# Altium PCB 驰风队20200806.PcbDoc (part 1 of 3)
Units mil, origin at the board's own origin, x right, y up, seen from the top; angles counter-clockwise.
Board outline 3947.04 x 2372.23 mil, 2 copper layers (Top Layer, Bottom Layer); 111 components, 82 nets, 374 pads, 168 vias.
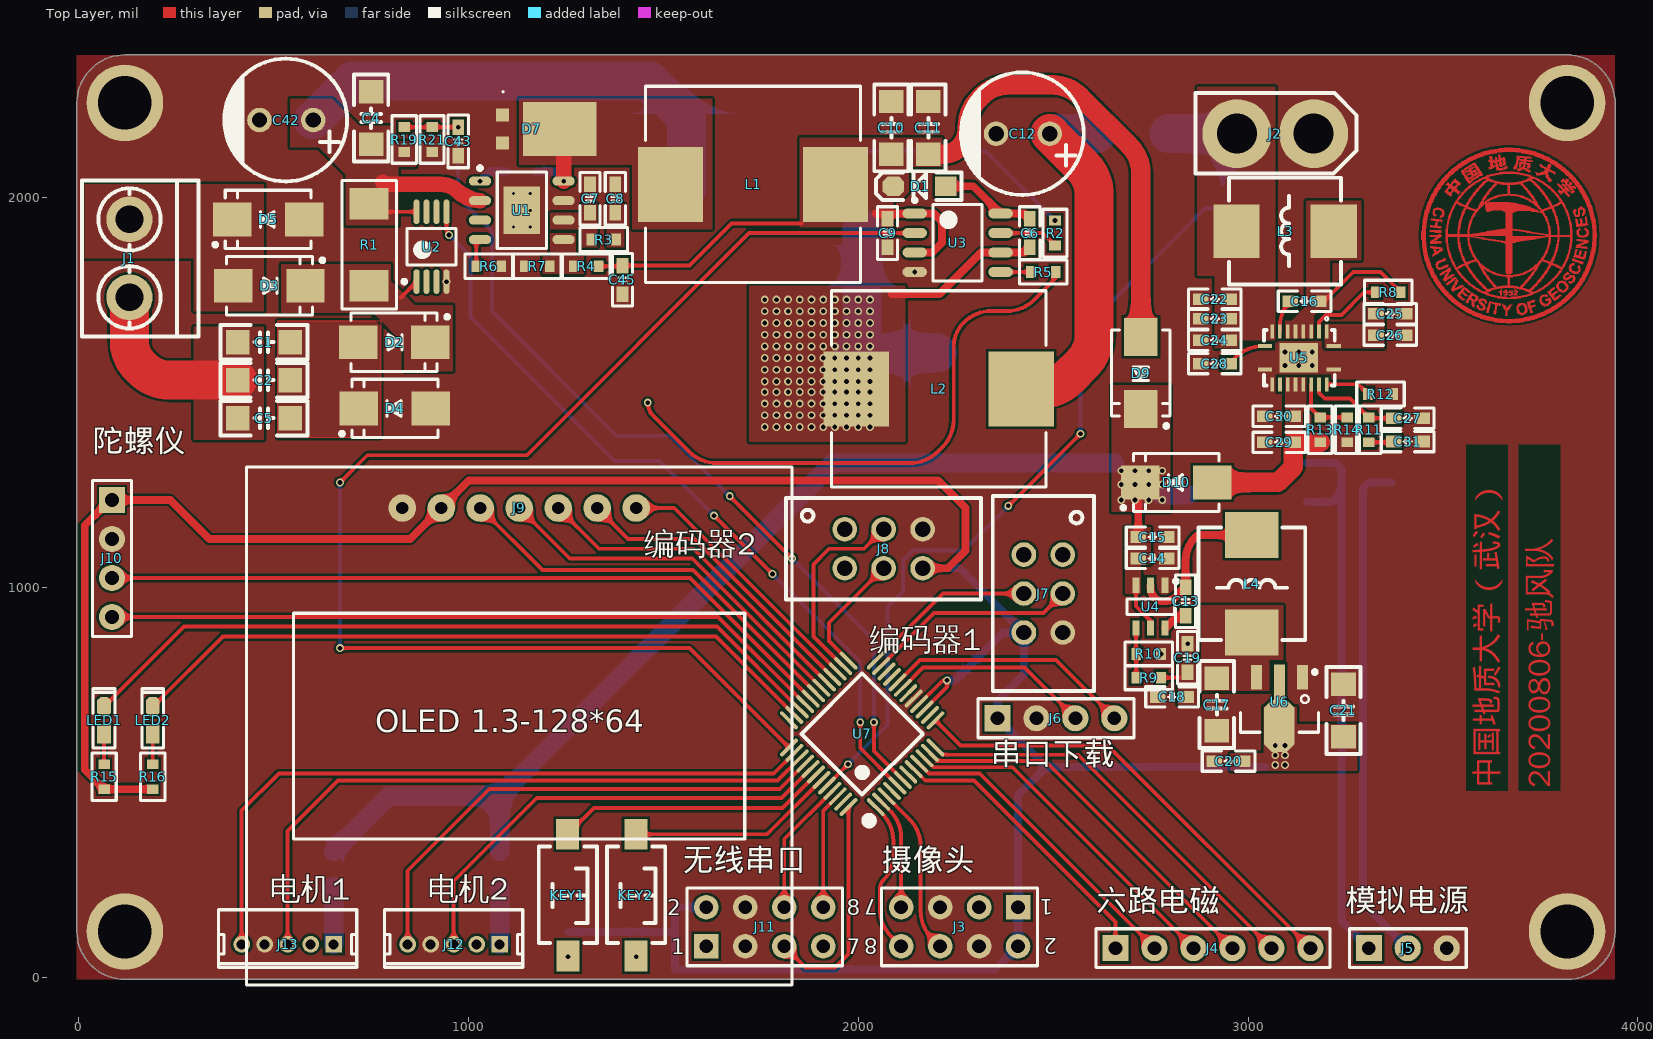
[diagram p0: Top Layer view]
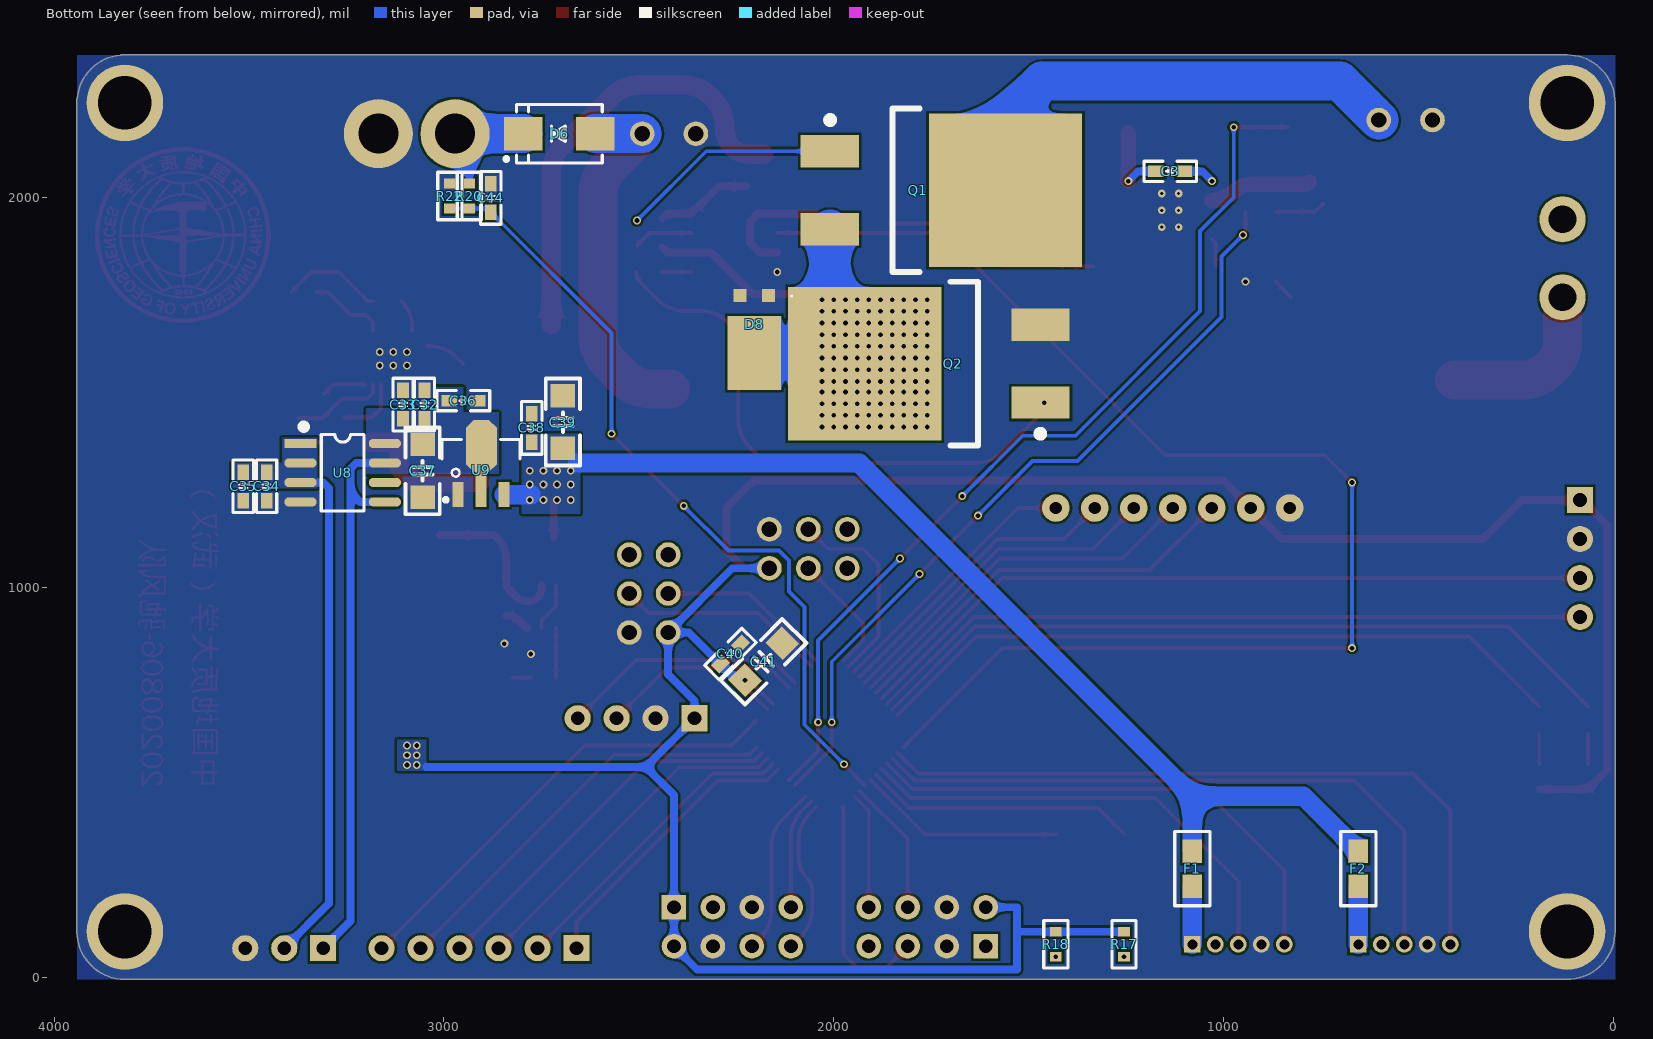
[diagram p1: Bottom Layer view, seen from below]

## Layer stack, top to bottom
Top Solder: solder mask 0.4, Solder Resist, Dk 3.5
Top Layer: signal copper 1.4
Dielectric 1: dielectric 12.6, FR-4, Dk 4.8
Bottom Layer: signal copper 1.4
Bottom Solder: solder mask 0.4, Solder Resist, Dk 3.5

## Board outline
118.11,-5.02 cw(c118.11,118.11) -5.02,118.11 -5.02,2244.09 cw(c118.11,2244.09) 118.11,2367.22 3827.8,2367.22 cw(c3827.8,2362.2) 3829.98,2366.72 cw(c3818.9,2244.09) 3941.52,2255.17 cw(c3937.01,2252.99) 3942.02,2252.99 3942.02,117.01 cw(c3937.01,117.01) 3942.02,116.73 cw(c3818.9,118.11) 3820.28,-5.01 cw(c3820,0) 3820,-5.02

## Design rules (kind name [scope] priority, off if disabled: settings)
Clearance [All] p1: gap=6 ignorepadtopadclearanceinfootprint=TRUE except(0: Arc-Hole Track-Hole SMDPad-Hole THPad-Hole Via-Hole Fill-Hole Poly-Hole Region-Hole Text-Hole)
HoleSize [All] p1: absolutevalues=TRUE maxlimit=1000 minlimit=1 maxpercent=80.000 minpercent=20.000
PolygonConnect PolygonConnect_27 [All vs IsNamedPolygon('GND_L02_P062')] p1: connectstyle=Direct reliefconductorwidth=10 reliefentries=4 polygonreliefangle="90 Angle" airgapwidth=10
PolygonConnect PolygonConnect_26 [All vs IsNamedPolygon('GND_L01_P058')] p2: connectstyle=Direct reliefconductorwidth=10 reliefentries=4 polygonreliefangle="90 Angle" airgapwidth=10
PolygonConnect PolygonConnect_25 [All vs IsNamedPolygon('2.5V_L02_P056')] p3: connectstyle=Direct reliefconductorwidth=10 reliefentries=4 polygonreliefangle="90 Angle" airgapwidth=10
PolygonConnect PolygonConnect_24 [All vs IsNamedPolygon('A5V_L02_P054')] p4: connectstyle=Direct reliefconductorwidth=10 reliefentries=4 polygonreliefangle="90 Angle" airgapwidth=10
PolygonConnect PolygonConnect_23 [All vs IsNamedPolygon('12V_L02_P052')] p5: connectstyle=Direct reliefconductorwidth=10 reliefentries=4 polygonreliefangle="90 Angle" airgapwidth=10
PolygonConnect PolygonConnect_22 [All vs IsNamedPolygon('5V_LDO_L02_P050')] p6: connectstyle=Direct reliefconductorwidth=10 reliefentries=4 polygonreliefangle="90 Angle" airgapwidth=10
PolygonConnect PolygonConnect_21 [All vs IsNamedPolygon('5V_LDO_L01_P048')] p7: connectstyle=Direct reliefconductorwidth=10 reliefentries=4 polygonreliefangle="90 Angle" airgapwidth=10
PolygonConnect PolygonConnect_20 [All vs IsNamedPolygon('6V_L01_P044')] p8: connectstyle=Direct reliefconductorwidth=10 reliefentries=4 polygonreliefangle="90 Angle" airgapwidth=10
PolygonConnect PolygonConnect_19 [All vs IsNamedPolygon('12V_L01_P042')] p9: connectstyle=Direct reliefconductorwidth=10 reliefentries=4 polygonreliefangle="90 Angle" airgapwidth=10
PolygonConnect PolygonConnect_18 [All vs IsNamedPolygon('12V_L01_P040')] p10: connectstyle=Direct reliefconductorwidth=10 reliefentries=4 polygonreliefangle="90 Angle" airgapwidth=10
PolygonConnect PolygonConnect_17 [All vs IsNamedPolygon('12.5V_L01_P038')] p11: connectstyle=Direct reliefconductorwidth=10 reliefentries=4 polygonreliefangle="90 Angle" airgapwidth=10
PolygonConnect PolygonConnect_16 [All vs IsNamedPolygon('NETC25_2_L01_P036')] p12: connectstyle=Direct reliefconductorwidth=10 reliefentries=4 polygonreliefangle="90 Angle" airgapwidth=10
PolygonConnect PolygonConnect_15 [All vs IsNamedPolygon('NETC16_2_L01_P034')] p13: connectstyle=Direct reliefconductorwidth=10 reliefentries=4 polygonreliefangle="90 Angle" airgapwidth=10
PolygonConnect PolygonConnect_14 [All vs IsNamedPolygon('CAP_12V_L01_P032')] p14: connectstyle=Direct reliefconductorwidth=10 reliefentries=4 polygonreliefangle="90 Angle" airgapwidth=10
PolygonConnect PolygonConnect_13 [All vs IsNamedPolygon('NETC6_2_L01_P028')] p15: connectstyle=Direct reliefconductorwidth=10 reliefentries=4 polygonreliefangle="90 Angle" airgapwidth=10
PolygonConnect PolygonConnect_12 [All vs IsNamedPolygon('DCDC_12V_L01_P026')] p16: connectstyle=Direct reliefconductorwidth=10 reliefentries=4 polygonreliefangle="90 Angle" airgapwidth=10
PolygonConnect PolygonConnect_11 [All vs IsNamedPolygon('NETC3_1_L01_P022')] p17: connectstyle=Direct reliefconductorwidth=10 reliefentries=4 polygonreliefangle="90 Angle" airgapwidth=10
PolygonConnect PolygonConnect_10 [All vs IsNamedPolygon('NETC8_1_L01_P020')] p18: connectstyle=Direct reliefconductorwidth=10 reliefentries=4 polygonreliefangle="90 Angle" airgapwidth=10
PolygonConnect PolygonConnect_9 [All vs IsNamedPolygon('NETC7_1_L01_P018')] p19: connectstyle=Direct reliefconductorwidth=10 reliefentries=4 polygonreliefangle="90 Angle" airgapwidth=10
PolygonConnect PolygonConnect_8 [All vs IsNamedPolygon('FB_L01_P016')] p20: connectstyle=Direct reliefconductorwidth=10 reliefentries=4 polygonreliefangle="90 Angle" airgapwidth=10
PolygonConnect PolygonConnect_7 [All vs IsNamedPolygon('VCC_OUTPUT_L01_P014')] p21: connectstyle=Direct reliefconductorwidth=10 reliefentries=4 polygonreliefangle="90 Angle" airgapwidth=10
PolygonConnect PolygonConnect_6 [All vs IsNamedPolygon('Top Solder-NetC1_1')] p22: connectstyle=Direct reliefconductorwidth=10 reliefentries=4 polygonreliefangle="90 Angle" airgapwidth=10
PolygonConnect PolygonConnect_5 [All vs IsNamedPolygon('Top Solder-NetC1_1')] p23: connectstyle=Direct reliefconductorwidth=10 reliefentries=4 polygonreliefangle="90 Angle" airgapwidth=10
PolygonConnect PolygonConnect_4 [All vs IsNamedPolygon('NETC1_1_L01_P010')] p24: connectstyle=Direct reliefconductorwidth=10 reliefentries=4 polygonreliefangle="90 Angle" airgapwidth=10
PolygonConnect PolygonConnect_3 [All vs IsNamedPolygon('VCC_L01_P006')] p25: connectstyle=Direct reliefconductorwidth=10 reliefentries=4 polygonreliefangle="90 Angle" airgapwidth=10
PolygonConnect PolygonConnect_2 [All vs IsNamedPolygon('NETC1_2_L01_P002')] p26: connectstyle=Direct reliefconductorwidth=10 reliefentries=4 polygonreliefangle="90 Angle" airgapwidth=10
PolygonConnect PolygonConnect_1 [All vs IsNamedPolygon('NETD3_1_L01_P000')] p27: connectstyle=Direct reliefconductorwidth=10 reliefentries=4 polygonreliefangle="90 Angle" airgapwidth=10
PolygonConnect [All] p28: connectstyle=Relief reliefconductorwidth=10 reliefentries=4 polygonreliefangle="90 Angle" airgapwidth=10
RoutingVias [All] p1: holewidth=28 width=50 viastyle="Through Hole" minholewidth=28 minwidth=50 maxholewidth=28 maxwidth=50
SolderMaskExpansion [All] p1: expansion=4
Width [All] p1: maxlimit=200 minlimit=10 preferedwidth=10
29 further rules are at their usual default settings.

## Components (designator, comment, footprint, x,y, rotation, side; value= is the part's Value field where it differs from the comment)
C1 "2.2nF" C1206 475,1630 r180 top
C2 "1nF" C1206 475,1532.5 r0 top
C3 "100nF" C0603 1136.65,2068.31 r180 bottom
C4 "2.2uF" C1206 750,2205 r90 top
C5 "1nF" C1206 475,1435 r0 top
C6 "1.5uF" C0603 2440,1910 r270 top
C7 "6.8pF" C0603 1311.65,1998.31 r90 top
C8 "1.5nF" C0603 1376.65,1998.31 r90 top
C9 "100nF" C0603 2075,1910 r270 top
C10 "22uF" C1206 2085,2180 r90 top
C11 "22uF" C1206 2180,2180 r90 top
C12 "100uF" "CAP 8*9" 2420,2165 r180 top
C13 "104" C0603 2840,965 r90 top
C14 "102" C0603 2755,1075 r0 top
C15 "104" C0603 2755,1130 r0 top
C16 "104" C0603 3145,1735 r0 top
C17 "22uF" C1206 2920,700 r270 top
C18 "104" C0603 2805,719.76 r0 top
C19 "10uF" C0603 2845,820 r270 top
C20 "104" C0603 2950,555 r0 top
C21 "22uF" C1206 3245,685 r270 top
C22 "10uF" C0603 2915,1740 r0 top
C23 "10uF" C0603 2915,1690 r0 top
C24 "100nF" C0603 2915,1635 r0 top
C25 "1uF" C0603 3365,1703 r180 top
C26 "1uF" C0603 3365,1648 r180 top
C27 "180pF" C0603 3410,1435 r180 top
C28 "8.2nF" C0603 2915,1575 r0 top
C29 "10uF" C0603 3080,1373 r180 top
C30 "10uF" C0603 3080,1440 r180 top
C31 "680pF" C0603 3410,1375 r180 top
C32 "104" C0603 3050,1470 r90 bottom
C33 "2.2uF" C0603 3105,1470 r90 bottom
C34 "104" C0603 3455,1260 r270 bottom
C35 "2.2uF" C0603 3515,1260 r270 bottom
C36 "104" C0603 2950,1480 r0 bottom
C37 "22uF" C1206 3055,1300 r270 bottom
C38 "104" C0603 2775,1410 r270 bottom
C39 "22uF" C1206 2695,1425 r90 bottom
C40 "103" C0603 2265,830 r135 bottom
C41 "22uF" C1206 2180,810 r135 bottom
C42 "100uF" "CAP 8*9" 530,2200 r180 top
C43 "20pF" C0603 973.59,2145 r270 top
C44 "20pF" C0603 2880,2000 r90 bottom
C45 "104" C0603 1395,1790 r270 top
D1 "1N5819" SOD123 2157.5,2030 r180 top
D2 "SM2150A" SMB 810,1630 r0 top
D3 "SM2150A" SMB 490,1775 r0 top
D4 "SM2150A" SMB 810,1460 r180 top
D5 "SM2150A" SMB 485,1945 r180 top
D6 "SS52" SMB 2705,2165 r0 bottom
D7 "PDS760" PDS760 1194.92,2177.09 r0 top
D8 "PDS760" PDS760 2203.78,1641.73 r270 bottom
D9 "SS52" SMB 2725,1550 r270 top
D10 "SS52" SMB 2815,1270 r180 top
F1 "1A" R0805 1080,280 r90 bottom
F2 "1A" R0805 654.06,280 r90 bottom
J1 "无线充电线圈接口" 2P 130,1845 r90 top
J2 "超级电容充电接口" XT30 3070,2165 r180 top
J3 "CCD" 8Pin 2260,130 r180 top
J4 "ADC 6Pin" "ADC 6Pin" 2910,75 r0 top
J5 "3PIN" 3PIN 3410,75 r0 top
J6 "4Pin" 4Pin 2507,665 r0 top
J7 "ENCODER1" "DC3 2*3P" 2525,1085 r270 top
J8 "EDCODER2" "DC3 2*3P" 1965,1150 r0 top
J9 "OLED-7Pin" OLED-7Pin 1130,645.13 r0 top locked
J10 "6050" 4Pin 85,1075 r270 top
J11 "8Pin" 8Pin 1760,130 r0 top
J12 "ZH1.5-5P" ZH1.5-5P 961.89,85 r180 top
J13 "ZH1.5-5P" ZH1.5-5P 535.94,85 r180 top
KEY1 "KEY" KEY 1255,210 r270 top
KEY2 "KEY" KEY 1430,210 r270 top
L1 "15uH" L13.5*12.5 1730,2034.81 r180 top
L2 "1mH" L13.5*12.5 2206.61,1510 r180 top
L3 "1uH" L0630 3095,1915 r180 top
L4 "3.3uH" L0630 3010,1010 r90 top
LED1 "LED" LED 65,659.79 r90 top
LED2 "LED" LED 190,659.79 r90 top
Q1 "PSMN3R7-100BSE" D2PAK 1559.21,2020 r270 bottom
Q2 "PSMN3R7-100BSE" D2PAK 1920,1575 r90 bottom
R1 "50mΩ" R2010 745,1880 r90 top
R2 "5R" R0603 2505,1910 r90 top
R3 "44.2K" R0603 1346.65,1893.31 r180 top
R4 "147K" R0603 1301.65,1824.81 r0 top
R5 "5R" R0603 2475,1810 r0 top
R6 "178K" R0603 1051.65,1824.81 r180 top
R7 "10.5K" R0603 1176.65,1824.81 r0 top
R8 "475K" R0603 3360,1758 r0 top
R9 "71.5K" R0603 2745,769.25 r0 top
R10 "10K" R0603 2745,830 r180 top
R11 "10K" R0603 3310,1405 r90 top
R12 "154K" R0603 3340,1497 r180 top
R13 "768K" R0603 3185,1405 r270 top
R14 "82K" R0603 3255,1405 r90 top
R15 "500R" R0603 65,515 r270 top
R16 "500R" R0603 189.74,515 r270 top
R17 "500R" R0603 1255,85 r90 bottom
R18 "500R" R0603 1430,85 r90 bottom
R19 "91K" R0603 835,2150 r270 top
R20 "91K" R0603 2935,2005 r90 bottom
R21 "10K" R0603 906.5,2150 r90 top
R22 "10K" R0603 2985,2005 r270 bottom
U1 "TPS54540" TPS54540 1136.65,1968.31 r0 top
U2 "AD8217" AD8217 905,1875 r90 top
U3 "IR2302S" IR2302S 2255,1885 r0 top
U4 "TPS562208" TPS562208 2750,951.42 r180 top
U5 "TPS61088" TPS61088 3220,1620 r180 top
U6 "CAJ1117" SOT-89 3080.95,689.13 r180 top
U7 "STC8G" LQFP48 2010,625 r45 top
U8 "ADP7118-ARDZ-2.5" SOP8 3260,1295 r180 bottom
U9 "CAJ1117-5.0" SOT-89 2905,1320 r180 bottom

## Footprints (in the part's own frame and the unit in brackets; to place one, negate y for a bottom-side part, rotate by r counter-clockwise, add the part's x,y. Pads: shape width x height; smd on the part's side, far side on the other; paste and mask are expansions set on the pad)
2P [mm]
  round 3 hole 1.8: 1(-2.54,0) 2(2.54,0)
  silkscreen extent -5.08,-4.5 5.08,3.1, body extent -5.25,-4.56 5.35,3.04, height 10
3PIN [mm]
  rect 1.7x1.7 hole 0.9: 1(-2.54,0)
  round 1.7 hole 0.9: 2(0,0) 3(2.54,0)
  silkscreen extent -3.81,-1.27 3.81,1.27, body extent -3.81,-1.27 3.81,1.27, height 8.5
4Pin [mm]
  rect 1.7x1.7 hole 0.9: 1(-3.81,0)
  round 1.7 hole 0.9: 2(-1.27,0) 3(1.27,0) 4(3.81,0)
  silkscreen extent -5.08,-1.27 5.08,1.27, body extent -5.08,-1.27 5.08,1.27, height 8.5
8Pin [mm]
  rect 1.6x1.6 hole 0.9: 1(-3.81,-1.27)
  round 1.6 hole 0.9: 2(-3.81,1.27) 3(-1.27,-1.27) 4(-1.27,1.27) 5(1.27,-1.27) 6(1.27,1.27) 7(3.81,-1.27) 8(3.81,1.27)
  silkscreen extent -5.08,-2.54 5.08,2.54, body extent -5.08,-2.54 5.08,2.54, height 8.5
AD8217 [mm] "TSOP, 8-Leads, Body 3.00x3.00mm, Pitch 0.65mm, IPC Medium Density"
  oval 1.6x0.4 smd: 1(-2.275,0.975) 2(-2.275,0.325) 3(-2.275,-0.325) 4(-2.275,-0.975) 5(2.275,-0.975) 6(2.275,-0.325) 7(2.275,0.325) 8(2.275,0.975)
  silkscreen extent -2.4,-1.6 1.2,1.9, body extent -1.6,-1.6 1.6,1.6, height 1.1
"ADC 6Pin" [mm]
  rect 1.7x1.7 hole 0.9: 1(-6.35,0)
  round 1.7 hole 0.9: 2(-3.81,0) 3(-1.27,0) 4(1.27,0) 5(3.81,0) 6(6.35,0)
  silkscreen extent -7.62,-1.27 7.62,1.27, body extent -7.62,-1.27 7.62,1.27, height 8.5
C0603 [mil]
  rect 40x30 smd: 1(-36.5,0) 2(36.5,0)
  silkscreen extent -68,-26 68,26, body extent -31,-16 31,16, height 32
C1206 [mil]
  rect 60x62.99 smd: 1(-67.5,0) 2(67.5,0)
  silkscreen extent -112,-44 112,44, body extent -63,-32 63,32, height 48
"CAP 8*9" [mm]
  round 1.6 hole 1: 1(-1.814,0) 2(1.686,0)
  silkscreen extent -4.03,-4 3.97,4
D2PAK [mm]
  rect 2.1x3.8 smd: 1(-2.54,-11.45) 3(2.54,-11.45)
  rect 10x10 smd: 2(0,0)
  silkscreen extent -5.33,-11.63 5.33,-5.59, body extent -5,-11.46 5,3.47, height 4.5
"DC3 2*3P" [mm]
  round 1.6 hole 1: 1(0,0) 2(2.54,0) 3(5.08,0) 4(5.08,-2.54) 5(2.54,-2.54) 6(0,-2.54)
  silkscreen extent -3.81,-4.57 8.89,2.03
IR2302S [mm]
  oval 1.6x0.65 smd: 1(-2.8,1.905) 2(-2.8,0.635) 3(-2.8,-0.635) 4(-2.8,-1.905) 5(2.8,-1.905) 6(2.8,-0.635) 7(2.8,0.635) 8(2.8,1.905)
  silkscreen extent -2.92,-2.5 1.6,2.9, body extent -3.02,-2.51 3.02,2.51, height 1.6
KEY [mm]
  rect 2x1.5 smd: 1(-3.996,-0.02) 2(3.937,0)
  silkscreen extent -3.21,-1.9 3.09,1.9, body extent -4,-1.88 4,1.62, height 2.59
L13.5*12.5 [mm] "Molded Inductor, 2-Leads, Body 13.50x12.50mm, IPC Medium Density"
  rect 4.25x4.9 smd: 1(-5.375,0) 2(5.375,0)
  silkscreen extent -7,-6.4 7,6.4, body extent -7,-6.4 7,6.4, height 6.5
L0630 [mm]
  rect 3x3.5 smd: 1(-3.175,0) 2(3.175,0)
  silkscreen extent -3.66,-3.48 3.66,3.48, body extent -3.47,-3.3 3.47,3.3, height 3.05
LED [mil]
  rect 50x35 smd: 1(-35,0.26)
  oct 50x35 smd: 2(35,0.26)
  silkscreen extent -71,-28 81,28, body extent -31,-16 31,16, height 18
LQFP48 [mm]
  oval 0.25x1.55 smd: 1(-2.75,-4) 2(-2.25,-4) 3(-1.75,-4) 4(-1.25,-4) 5(-0.75,-4) 6(-0.25,-4) 7(0.25,-4) 8(0.75,-4) 9(1.25,-4) 10(1.75,-4) 11(2.25,-4) 12(2.75,-4) 25(2.75,4) 26(2.25,4) 27(1.75,4) 28(1.25,4) 29(0.75,4) 30(0.25,4) 31(-0.25,4) 32(-0.75,4) 33(-1.25,4) 34(-1.75,4) 35(-2.25,4) 36(-2.75,4)
  oval 1.55x0.25 smd: 13(4,-2.75) 14(4,-2.25) 15(4,-1.75) 16(4,-1.25) 17(4,-0.75) 18(4,-0.25) 19(4,0.25) 20(4,0.75) 21(4,1.25) 22(4,1.75) 23(4,2.25) 24(4,2.75) 37(-4,2.75) 38(-4,2.25) 39(-4,1.75) 40(-4,1.25) 41(-4,0.75) 42(-4,0.25) 43(-4,-0.25) 44(-4,-0.75) 45(-4,-1.25) 46(-4,-1.75) 47(-4,-2.25) 48(-4,-2.75)
  silkscreen extent -3.93,-4.57 2.79,2.79, body extent -4.5,-4.5 4.5,4.5, height 1.45
OLED-7Pin [mm]
  round 1.8 hole 0.8: 1(-7.62,14.21) 2(-5.08,14.21) 3(-2.54,14.21) 4(0,14.21) 5(2.54,14.21) 6(5.08,14.21) 7(7.62,14.21)
  silkscreen extent -17.78,-16.89 17.78,16.89, body extent -17.7,-16.75 17.7,16.75, height 5.5
PDS760 [mm]
  rect 0.85x0.85 smd: 1(-2.75,-0.92) 1(-2.75,0.92)
  rect 4.8x3.5 smd: 2(1,0)
  silkscreen extent -2.75,2.38 -2.65,2.47, body extent -2.7,-2.02 2.7,2.03, height 1.16
R0603 [mil]
  rect 25x30 smd: 1(-32,0) 2(32,0)
  silkscreen extent -61,-31 61,31, body extent -32,-16 31,16, height 18
R0805 [mil]
  rect 60x50 smd: 1(-46,0) 2(44,0)
  silkscreen extent -96,-45 94,45, body extent -41,-25 37,25, height 22
R2010 [mil]
  rect 80x100 smd: 1(-105,0) 2(105,0)
  silkscreen extent -165,-70 165,70, body extent -97,-50 99,48, height 26
SMB [mm]
  rect 2.5x2.2 smd: 1(-2.373,0) 2(2.327,0)
  silkscreen extent -2.82,-1.9 3.55,1.9, body extent -2.65,-1.8 2.65,1.8, height 2.35
SOD123 [mil]
  oct 55x50 smd: 1(67.5,0)
  rect 55x50 smd: 2(-67.5,0)
  silkscreen extent -107,-35 112,35, body extent -73,-31 73,32, height 48
SOP8 [mm]
  rect 2.1x0.6 smd: 1(-2.75,1.905)
  oval 2.1x0.6 smd: 2(-2.75,0.635) 3(-2.75,-0.635) 4(-2.75,-1.905) 5(2.75,-1.905) 6(2.75,-0.635) 7(2.75,0.635) 8(2.75,1.905)
  silkscreen extent -2.69,-2.5 1.4,3.15, body extent -3,-2.5 3,2.5, height 1.9
SOT-89 [mm]
  rect 0.7x1.6 smd: 1(-1.5,-2.054) 3(1.5,-2.054)
  rect 0.7x2.4 smd: 2(0,-1.676)
  oct 2x3.4 smd: 2(0.025,1.118)
  silkscreen extent -2.54,-2.52 2.54,1.52, body extent -2.3,-2.4 2.3,1.9, height 1.6
TPS54540 [mm]
  oval 1.45x0.6 smd: 1(-2.725,1.905) 2(-2.725,0.635) 3(-2.725,-0.635) 4(-2.725,-1.905) 5(2.725,-1.905) 6(2.725,-0.635) 7(2.725,0.635) 8(2.725,1.905)
  rect 2.4x3.1 smd: 9(0,0)
  silkscreen extent -2.85,-2.5 1.6,2.88, body extent -3,-2.5 3,2.5, height 1.7
TPS61088 [mil]
  rect 36x9.6 smd: 1(0,0) 10(176,0) 11(176,60) 20(0,60)
  rect 9.6x36 smd: 2(18,-38) 3(38,-38) 4(58,-38) 5(78,-38) 6(98,-38) 7(118,-38) 8(138.4,-38) 9(158,-38) 12(158,98) 13(138,98) 14(118,98) 15(98,98) 16(78,98) 17(58,98) 18(38,98) 19(18,98)
  round 20 hole 12: 20(55,50) 20(55,15) 20(90,15) 20(90,50) 20(125,15) 20(125,50)
  rect 98.43x74.8 smd: 20(90,30)
  silkscreen extent -3,-74 179,101
TPS562208 [mm]
  rect 0.45x1 smd: 1(-0.95,-1.397) 2(0,-1.397) 3(0.95,-1.397) 4(0.95,1.397) 5(0,1.397) 6(-0.95,1.397)
  silkscreen extent -1.78,-1.78 1.55,0.51, body extent -1.5,-1.4 1.5,1.4, height 1.15
XT30 [mm]
  round 4.5 hole 2.6: 1(2.5,0) 2(-2.5,0)
  silkscreen extent -5.3,-2.65 5.2,2.6, body extent -5.2,-2.6 5.2,2.7, height 12.6
ZH1.5-5P [mm]
  rect 1.1x1.1 hole 0.65: 1(-3,0)
  round 1.1 hole 0.65: 2(-1.5,0) 3(0,0) 4(1.5,0) 5(3,0)
  silkscreen extent -4.5,-2.25 4.5,1.5, body extent -4.5,-2.15 4.5,1.5, height 4.6

## Part data
C1 C2 C3 C4 C5 C6 C7 C8 C9 C10 C11 C13 C14 C15 C16 C17 C18 C19 C20 C21 C22 C23 C24 C25 C26 C27 C28 C29 C30 C31 C32 C33 C34 C35 C36 C37 C38 C39 C40 C41 C43 C44 C45: library part MLCC
C12 C42: library part BiCAP
D2 D3 D4 D5: "肖特基二极管，150V耐压，2A工作电流"
D6 D9 D10: library part 1N5819
F1 F2 R1 R2 R3 R4 R5 R6 R7 R8 R9 R10 R11 R12 R13 R14 R15 R16 R17 R18 R19 R20 R21 R22: library part RES
J1 J2: library part 2P
J7 J8: library part "DC3 2*3P"
J10: library part 4Pin
L1 L2 L3 L4: library part LEN
Q1 Q2: "100V耐压，3.5mΩ导通内阻"
U8: library part ADP7118-ARDZ
U9: library part CAJ1117, "最大输入电压15V，最大工作电流1A"

## Free pads (board coordinates)
  round 196.85 hole 137.8: ""(118.11,118.11) ""(118.11,2244.09) ""(3818.9,118.11) ""(3818.9,2244.09)

## Via types
v1: diameter 20, hole 12, Top Layer to Bottom Layer, 162 vias
v2: diameter 19.68, hole 7.87, Top Layer to Bottom Layer, 6 vias

## Nets (pads, with @x,y where several pads share a name; then routed paths per layer and width w, separated by ;. In a path a pad name is that pad's centre, name@x,y a point inside that pad or via, vN(x,y) a via of type N, cw(c..) or ccw(c..) an arc to the next point about the centre after c; other vN are vias at no path point)
2.5V: C34.1 C35.1 J5.2 U8.1 U8.2 U8.3 | length 1307.1
  Bottom Layer w20: U8.3@3368.26,1270 3310,1270 3295,1255 3295,190 J5.2@3410,75
5V_LDO: C20.2 C21.2 C40.1 C41.1 J3.1 J3.2 J6.1 J7.4 J8.4 J9.2 J10.1 J11.2 R15.2 R16.2 R17.2 R18.2 U6.2 U7.15 U7.16 | length 7152.8
  Top Layer w10: U7.16@2156.14,701.55 2216.87,762.27 v1(2227.73,762.27) 2227.73,745.29 U7.15@2170.06,687.63
  Top Layer w20: R16.2@189.74,483 R15.2@65,483 15,533 15,1160 80,1225 J10.1@85,1225 235,1225 335,1125 850.43,1125 J9.2@930,1204.57 1000.43,1275 2205,1275 2275,1205 2275,1095 2230,1050 J8.4@2165,1050
  Bottom Layer w20: R17.2@1255,117 R18.2@1430,117 1523,117 1530,110 ; J11.2@1610,180 1530,180 1530,110 ; J8.4@2165,1050 2260,1050 J7.4@2425,885 ; v1(2227.73,762.27) 2248.89,762.27 C40.1@2290.81,804.19 2371.62,885 J7.4@2425,885 ; 3045,540 2482,540 ; 1530,110 1530,20 2350,20 J3.2@2410,80 J3.1@2410,180 2410,468 2482,540 ; J7.4@2425,885 2425,777.27 2357,709.27 J6.1@2357,665 2482,540
  other v1: 3070,545 3095,545 3070,570 3095,570 3070,595 3095,595
6V: C17.1 C18.2 C19.2 L4.1 R9.2 U6.3 | length 48
  Top Layer w10: R9.2@2777,769.25 2825,769.25
12.5V: C29.1 C30.1 D10.1 R13.2 U5.14 U5.15 U5.16 | length 356.1
  Top Layer w50: D10.1@2908.42,1270 3076.5,1270 3116.5,1310 C29.1@3116.5,1373 R13.2@3185,1373
12V: C14.1 C15.1 C38.2 C39.1 D9.2 D10.2 F1.2 F2.2 U4.3 U4.5 U9.3 | length 2840.6
  Top Layer w10: U4.3@2712.6,1006.42 2712.6,952.4 2750,915 U4.5@2750,896.42
  Top Layer w20: C15.1@2718.5,1130 v1@2718.5,1220
  Bottom Layer w50: F2.2@654.06,324 795.06,465 1080,465 ; F1.2@1080,324 1080,465 ; 2657,1320 1935,1320 1080,465 ; 2777.3,1239.13 U9.3@2845.94,1239.13
  other v1: 2675,1225 2710,1225 2745,1225 2780,1225 2675,1265 2710,1265 2745,1265 2780,1265 2675,1300 2710,1300 2745,1300 2780,1300
A5V: C32.1 C33.1 C36.2 C37.1 J5.1 U8.5 U8.7 U8.8 U9.2 | length 1452.1
  Bottom Layer w20: U8.5@3151.73,1220 3215,1220 3240,1245 ; U8.7@3151.73,1320 3225,1320 3240,1305 3240,1245 ; J5.1@3310,75 3240,145 3240,1245
ADC0: J4.1 U7.8 | length 747.4
  Top Layer w10: U7.8@2142.22,534.53 2171.76,505 2296.99,505 2660,141.99 J4.1@2660,75
ADC1: J4.2 U7.9 | length 800
  Top Layer w10: U7.9@2156.14,548.45 2181.25,523.34 2311.66,523.34 J4.2@2760,75
ADC2: J4.3 U7.10 | length 891.8
  Top Layer w10: U7.10@2170.06,562.37 2193.09,539.34 2395.66,539.34 J4.3@2860,75
ADC3: J4.4 U7.11 | length 983.7
  Top Layer w10: U7.11@2183.98,576.29 2204.93,555.34 2479.66,555.34 J4.4@2960,75
ADC4: J4.5 U7.12 | length 1075.5
  Top Layer w10: U7.12@2197.9,590.21 2216.77,571.34 2563.66,571.34 J4.5@3060,75
ADC5: J4.6 U7.13 | length 1204.3
  Top Layer w10: U7.13@2197.9,659.79 2262.69,595 2640,595 J4.6@3160,75
CAP_12V: C22.2 C23.2 C24.2 D6.2 J2.1 L3.2 R20.2 U5.9 | length 318.1
  Bottom Layer w10: R20.2@2935,2037 2935,2128.43 J2.1@2971.57,2165
  Bottom Layer w100: D6.2@2796.62,2165 J2.1@2971.57,2165
CAP_Voltage: C44.1 R20.1 R22.2 U7.44 | length 2053.6
  Top Layer w10: U7.44@1919.53,492.78 v1(1973.76,547) ; v1(2385,1210) v1(2570,1395)
  Bottom Layer w10: v1(1973.76,547) 2075,648.24 2075,950 2115,990 2115,1070 2140,1095 2270,1095 v1(2385,1210) ; v1(2570,1395) 2570,1653.5 C44.1@2880,1963.5 2889.5,1973 R20.1@2935,1973 R22.2@2985,1973
CCD_AD: J3.6 U7.3 | length 433.4
  Top Layer w10: U7.3@2072.63,464.94 2130.71,406.85 cw(c2060,336.14) 2160,336.14 2160,170 ccw(c2256.57,170) 2188.28,101.72 J3.6@2210,80
CCD_CLK: J3.8 U7.1 | length 399.4
  Top Layer w10: U7.1@2044.79,437.1 2060.71,421.18 cw(c1990,350.47) 2090,350.47 2090,310.36 cw(c2004.64,310.36) 2065,250 ccw(c2089.14,225.86) 2055,225.86 2055,176.42 ccw(c2155,176.42) 2084.29,105.71 J3.8@2110,80
CCD_SI: J3.7 U7.2 | length 288
  Top Layer w10: U7.2@2058.71,451.02 2080.71,429.01 cw(c2010,358.3) 2110,358.3 J3.7@2110,180
CURRENT: U2.5 U7.5 | length 2017.5
  Top Layer w10: U2.5@943.39,1964.57 943.39,1920.97 ccw(c965.97,1920.97) v1(950,1905) ; v1(1630,1185) v1(1780,1035) ; v1(2005,655) 2005,588.24 U7.5@2100.47,492.78
  Bottom Layer w10: v1(950,1905) 1005,1850 1005,1695 1375,1325 1490,1325 v1(1630,1185) ; v1(1780,1035) 2005,810 v1(2005,655)
DCDC_12V: C9.1 C10.1 C11.1 C45.1 D1.1 D9.1 L1.1 R4.2 U3.1 U3.3 | length 2026.9
  Top Layer w10: R4.2@1333.65,1824.81 1393.31,1824.81 C45.1@1395,1826.5 1566.5,1826.5 1675,1935 1855,1935
  Top Layer w20: 2045,1960 U3.1@2144.76,1960 2194.25,1960 2215,1939.25 2215,1885 2190,1860 U3.3@2144.76,1860
  Top Layer w50: C11.1@2180,2112.5 2217.75,2112.5 ccw(c2217.75,2172.25) 2260,2130 ccw(c2211.72,2178.28) 2280,2178.28 2280,2183.58 cw(c2380,2183.58) 2309.29,2254.29 2316.72,2261.72 cw(c2385,2193.43) 2385,2290 2498.58,2290 cw(c2498.58,2190) 2569.29,2260.71 2695.71,2134.29 cw(c2625,2063.58) 2725,2063.58 D9.1@2725,1675
DIR1: J7.5 U7.24 | length 451.5
  Top Layer w10: U7.24@2044.79,812.9 2216.89,985 J7.5@2425,985
DIR2: J8.5 U7.25 | length 315.9
  Top Layer w10: U7.25@1975.21,812.9 1925,863.11 1925,910 J8.5@2065,1050
FB: R4.1 R7.2 U1.5
GND: C4.2 C7.2 C8.2 C9.2 C10.2 C11.2 C12.2 C14.2 C15.2 C17.2 C18.1 C19.1 C20.1 C21.1 C22.1 C23.1 C24.1 C25.1 C26.1 C27.1 C28.1 C29.2 C30.2 C31.1 C32.2 C33.2 C34.2 C35.2 C36.1 C37.2 C38.1 C39.2 C40.2 C41.2 C42.2 C43.2 C44.2 C45.2 D4.1 D5.1 D7.1 D8.1 J2.2 J3.4 J3.5 J5.3 J6.2 J7.3 J8.3 J9.1 J10.2 J11.3 J11.4 J12.4 J13.4 pad. Q2.3 R6.1 R7.1 R10.1 R12.1 R14.1 R21.1 R22.1 U1.7 U1.9 U2.4 U3.4 U4.1 U5.11 U5.12 U5.20 U6.1 U7.17 U8.4 U9.1
  other v1: 2777,830 2845,856.5 943.39,1785.43 2144.76,1810
  other v2: 1115,1925 1158.31,1925 1115,1968.31 1158.31,1968.31 1115,2011.61 1158.31,2011.61
IIC_SCL: J10.4 U7.33 | length 1871.4
  Top Layer w10: J10.4@85,925 1640.4,925 U7.33@1863.86,701.55
IIC_SDA: J10.3 U7.32 | length 1921
  Top Layer w10: J10.3@85,1025 1568.24,1025 U7.32@1877.78,715.47
KEY1: KEY1.1 U7.42 | length 701
  Top Layer w10: KEY1.1@1254.21,367.31 1321.9,435 1806.08,435 U7.42@1891.7,520.62
KEY2: KEY2.1 U7.43 | length 534.1
  Top Layer w10: KEY2.1@1429.21,367.31 1766.23,367.31 U7.43@1905.62,506.7
LED1: LED1.2 U7.34 | length 1958.2
  Top Layer w10: LED1.2@64.74,694.79 269.95,900 1637.56,900 U7.34@1849.94,687.63
LED2: LED2.2 U7.35 | length 1804.3
  Top Layer w10: LED2.2@189.74,694.79 369.95,875 1634.73,875 U7.35@1836.02,673.71
LSB1: J7.2 U7.23 | length 543.3
  Top Layer w10: U7.23@2058.71,798.98 2194.73,935 2475,935 J7.2@2525,985
LSB2: J8.2 U7.26 | length 509.9
  Top Layer w10: U7.26@1961.29,798.98 1885,875.27 1885,1060 1925,1100 2015,1100 J8.2@2065,1150
NetC1_1: C1.1 C2.2 C5.2 D2.1 D4.2
NetC1_2: C1.2 C2.1 C5.1 J1.1 | length 445.4
  Top Layer w100: J1.1@130,1745 130,1630.36 ccw(c215.36,1630.36) 155,1570 163.21,1561.79 ccw(c233.92,1632.5) 233.92,1532.5 C2.1@407.5,1532.5
NetC3_1: C3.1 D7.2 L1.2 U1.8 | length 218.9
  Top Layer w10: D7.2@1234.29,2177.09 D7.2@1243.94,2167.44
  Top Layer w40: v1(1243.94,2043.31) D7.2@1243.94,2167.44
  Bottom Layer w20: C3.1@1173.15,2068.31 1218.94,2068.31 v1(1243.94,2043.31)
NetC3_2: C3.2 U1.1 | length 81.1
  Bottom Layer w20: v1(1029.37,2043.31) 1054.37,2068.31 C3.2@1100.15,2068.31
NetC6_1: C6.1 D1.2 U3.8 | length 249.6
  Top Layer w20: D1.2@2225,2030 2295.24,2030 U3.8@2365.24,1960 2426.5,1960 C6.1@2440,1946.5
NetC6_2: C6.2 D8.2 L2.2 Q1.3 Q2.2 U3.6 | length 944.9
  Top Layer w20: 2086.55,1753.5 2208.5,1753.5 2315,1860 U3.6@2365.24,1860 2426.5,1860 C6.2@2440,1873.5
  Bottom Layer w100: Q1.3@2010,1920 2010,1660.16 cw(c1928.26,1660.16) 1986.06,1602.36 D8.2@2203.78,1602.36
  other v1: 1760,1412.32 1790,1412.32 1820,1412.32 1850,1412.32 1880,1412.32 1910,1412.32 1940,1412.32 1970,1412.32 2000,1412.32 2030,1412.32 1760,1442.32 1790,1442.32 1820,1442.32 1850,1442.32 1880,1442.32 1910,1442.32 1940,1442.32 1970,1442.32 2000,1442.32 2030,1442.32 1760,1472.32 1790,1472.32 1820,1472.32 1850,1472.32 1880,1472.32 1910,1472.32 1940,1472.32 1970,1472.32 2000,1472.32 2030,1472.32 1760,1502.32 1790,1502.32 1820,1502.32 1850,1502.32 1880,1502.32 1910,1502.32 1940,1502.32 1970,1502.32 2000,1502.32 2030,1502.32 1760,1529.29 1790,1529.29 1820,1529.29 1850,1529.29 1880,1529.29 1910,1529.29 1940,1529.29 1970,1529.29 2000,1529.29 2030,1529.29 1760,1559.29 1790,1559.29 1820,1559.29 1850,1559.29 1880,1559.29 1910,1559.29 1940,1559.29 1970,1559.29 2000,1559.29 2030,1559.29 1760,1589.29 1790,1589.29 1820,1589.29 1850,1589.29 1880,1589.29 1910,1589.29 1940,1589.29 1970,1589.29 2000,1589.29 2030,1589.29 1760,1619.29 1790,1619.29 1820,1619.29 1850,1619.29 1880,1619.29 1910,1619.29 1940,1619.29 1970,1619.29 2000,1619.29 2030,1619.29 1760,1649.29 1790,1649.29 1820,1649.29 1850,1649.29 1880,1649.29 1910,1649.29 1940,1649.29 1970,1649.29 2000,1649.29 2030,1649.29 1760,1679.29 1790,1679.29 1820,1679.29 1850,1679.29 1880,1679.29 1910,1679.29 1940,1679.29 1970,1679.29 2000,1679.29 2030,1679.29 1760,1709.29 1790,1709.29 1820,1709.29 1850,1709.29 1880,1709.29 1910,1709.29 1940,1709.29 1970,1709.29 2000,1709.29 2030,1709.29 1760,1739.29 1790,1739.29 1820,1739.29 1850,1739.29 1880,1739.29 1910,1739.29 1940,1739.29 1970,1739.29 2000,1739.29 2030,1739.29
NetC7_1: C7.1 R3.2 U1.6
NetC8_1: C8.1 R3.1
NetC12_1: C12.1 D6.1 L2.1 | length 940.4
  Top Layer w100: L2.1@2418.23,1510 2468.58,1510 ccw(c2468.58,1610) 2539.29,1539.29 2575.71,1575.71 ccw(c2505,1646.42) 2605,1646.42 2605,2010 ccw(c2505,2010) 2575.71,2080.71 C12.1@2491.42,2165
  Bottom Layer w100: C12.1@2491.42,2165 D6.1@2611.58,2165
NetC13_1: C13.1 U4.6 | length 63.8
  Top Layer w20: U4.6@2787.4,896.42 2804.97,913.99 ; 2804.98,914 cw(c2840,878.96) C13.1@2840,928.5
NetC13_2: C13.2 L4.2 U4.2 | length 411.4
  Top Layer w20: U4.2@2750,1006.42 2750,999.14 ccw(c2784.14,999.14) 2760,975 ccw(c2784.14,999.14) 2784.14,965 ccw(c2784.14,1011.73) 2817.19,978.69 C13.2@2840,1001.5 2840,1069.64 cw(c2925.36,1069.64) 2865,1130 cw(c2877.07,1117.93) 2877.07,1135 L4.2@3010,1135
NetC16_1: C16.1 U5.8 | length 84.2
  Top Layer w10: U5.8@3081.6,1658 3081.6,1670.06 cw(c3173.44,1670.06) C16.1@3108.5,1735
NetC16_2: C16.2 L3.1 R8.2 U5.4 U5.5 U5.6 U5.7 | length 263.1
  Top Layer w10: C16.2@3181.5,1735 3195,1735 3270,1810 3340,1810 R8.2@3392,1758
NetC25_2: C25.2 C26.2 U5.1 U5.2
NetC27_2: C27.2 R11.2 U5.18 | length 240.4
  Top Layer w10: U5.18@3182,1522 3182,1500 3197,1485 3262,1485 R11.2@3310,1437 3312,1435 C27.2@3373.5,1435
NetC28_2: C28.2 U5.10 | length 106.8
  Top Layer w10: C28.2@2951.5,1575 2967.21,1590.71 cw(c3037.92,1520) 3037.92,1620 U5.10@3044,1620
NetC31_2: C31.2 R11.1 | length 64.3
  Top Layer w10: R11.1@3310,1373 3371.5,1373 C31.2@3373.5,1375
NetD3_1: D3.1 D5.2 J1.2
NetF1_1: F1.1 J12.1 | length 149
  Bottom Layer w50: J12.1@1080,85 F1.1@1080,234
NetF2_1: F2.1 J13.1 | length 149
  Bottom Layer w50: J13.1@654.06,85 F2.1@654.06,234
NetKEY1_2: KEY1.2 R17.1
  other v1: 1255,53
NetKEY2_2: KEY2.2 R18.1
  other v1: 1430,53
NetLED1_1: LED1.1 R15.1 | length 77.9
  Top Layer w10: LED1.1@64.74,624.79 64.74,547.26 R15.1@65,547
NetLED2_1: LED2.1 R16.1 | length 77.8
  Top Layer w10: R16.1@189.74,547 LED2.1@189.74,624.79
NetQ1_1: Q1.1 R2.2 | length 568.7
  Bottom Layer w10: Q1.1@2010,2120 2327,2120 v1(2505,1942)
NetQ2_1: Q2.1 R5.2 | length 1461.5
  Top Layer w10: v1(1460,1475) ccw(c1508.28,1475) 1474.14,1440.86 1565.71,1349.29 ccw(c1636.42,1420) 1636.42,1320 2133.58,1320 ccw(c2133.58,1420) 2204.29,1349.29 2215.71,1360.71 ccw(c2145,1431.42) 2245,1431.42 2245,1618.64 cw(c2332.78,1618.64) 2270.71,1680.71 cw(c2341.42,1610) 2341.42,1710 2381.58,1710 ccw(c2381.58,1810) 2452.29,1739.29 2495.69,1782.69 ccw(c2468.37,1810) R5.2@2507,1810
NetR2_1: R2.1 U3.7 | length 153
  Top Layer w10: U3.7@2365.24,1910 2473,1910 R2.1@2505,1878
NetR5_1: R5.1 U3.5 | length 77.8
  Top Layer w10: U3.5@2365.24,1810 R5.1@2443,1810
NetR6_2: R6.2 U1.4 | length 72.5
  Top Layer w10: R6.2@1019.65,1824.81 1019.65,1883.59 U1.4@1029.37,1893.31
NetR8_1: R8.1 U5.3 | length 201.5
  Top Layer w10: U5.3@3182,1658 3182,1682 3200,1700 3240,1700 3298,1758 R8.1@3328,1758
NetR9_1: R9.1 R10.2 U4.4 | length 127.3
  Top Layer w10: U4.4@2712.6,896.42 2712.6,830.97 cw(c2711.63,830) R10.2@2713,830 R9.1@2713,769.25
NetR12_2: R12.2 U5.19 | length 116.4
  Top Layer w10: U5.19@3202,1522 3283,1522 R12.2@3308,1497
NetR13_1: R13.1 R14.2 U5.17 | length 164.5
  Top Layer w10: U5.17@3162,1522 3162,1460 R13.1@3185,1437 R14.2@3255,1437
OLED_CS: J9.7 U7.27 | length 691.1
  Top Layer w10: J9.7@1430,1204.57 1527.86,1204.57 U7.27@1947.37,785.06
OLED_DC: J9.6 U7.28 | length 783
  Top Layer w10: J9.6@1330,1204.57 1409.57,1125 1579.6,1125 U7.28@1933.45,771.14
OLED_MOSI: J9.4 U7.30 | length 966.7
  Top Layer w10: J9.4@1130,1204.57 1259.57,1075 1573.92,1075 U7.30@1905.62,743.3
OLED_RST: J9.5 U7.29 | length 874.8
  Top Layer w10: J9.5@1230,1204.57 1334.57,1100 1576.76,1100 U7.29@1919.53,757.22
OLED_SCLK: J9.3 U7.31 | length 1058.5
  Top Layer w10: J9.3@1030,1204.57 1189.57,1045 1576.08,1045 U7.31@1891.7,729.38
Power_PWM: U3.2 U7.37 | length 3422.5
  Top Layer w10: v1(670,845) 1567.31,845 U7.37@1822.1,590.21 ; v1(670,1270) 740,1340 1150,1340 1720,1910 U3.2@2144.76,1910
  Bottom Layer w10: v1(670,845) v1(670,1270)
PWMA: J12.3 U7.41 | length 1196.9
  Top Layer w10: J12.3@961.89,85 961.89,246.89 1175,460 1803.24,460 U7.41@1877.78,534.53
PWMB: J12.5 U7.40 | length 1322.6
  Top Layer w10: J12.5@843.78,85 843.78,273.78 1053,483 1798.4,483 U7.40@1863.86,548.45
PWMC: J13.3 U7.39 | length 1682.2
  Top Layer w10: J13.3@535.94,85 535.94,375.94 665,505 1792.56,505 U7.39@1849.94,562.37
PWMD: J13.5 U7.38 | length 1822.5
  Top Layer w10: J13.5@417.83,85 417.83,427.83 513.34,523.34 1783.07,523.34 U7.38@1836.02,576.29
RTS: J11.5 U7.48 | length 579.5
  Top Layer w10: J11.5@1810,80 1865,25 1940,25 1975.21,60.21 U7.48@1975.21,437.1
UART1_RX: J6.3 U7.19 | length 517.9
  Top Layer w10: U7.19@2114.38,743.3 2166.08,795 2427,795 J6.3@2557,665
UART1_TX: J6.4 U7.20 | length 642.6
  Top Layer w10: U7.20@2100.47,757.22 2158.24,815 2507,815 J6.4@2657,665
UART4_RX: J11.6 U7.45 | length 350
  Top Layer w10: J11.6@1810,180 1810,355.4 U7.45@1933.45,478.86
UART4_TX: J11.8 U7.46 | length 300.4
  Top Layer w10: J11.8@1910,180 1910,427.56 U7.46@1947.37,464.94
VCC: D2.2 D3.2 R1.1 U2.1 | length 57.2
  Top Layer w10: 826.18,1745 U2.1@866.61,1785.43
VCC_OUTPUT: C4.1 C42.1 Q1.2 R1.2 R19.2 U1.2 U2.8 | length 1616
  Top Layer w10: R1.2@745,1985 765.43,1964.57 U2.8@866.61,1964.57
  Top Layer w40: 780,2040 ccw(c792.54,2052.54) 792.54,2034.81 929.18,2034.81 cw(c929.18,1972.01) 973.59,2016.41 ccw(c1029.37,2072.2) U1.2@1029.37,1993.31
  Bottom Layer w100: C42.1@601.42,2200 701.42,2300 1465,2300 1559.21,2205.79 Q1.2@1559.21,2020
VOLTAGE: C43.1 R19.1 R21.2 U7.6 | length 2365.2
  Top Layer w10: R19.1@835,2182 R21.2@906.5,2182 973.09,2182 v1(973.59,2181.5) ; v1(1670,1235) v1(1830,1075) ; v1(2040,655) 2040,581.08 U7.6@2114.38,506.7
  Bottom Layer w10: v1(973.59,2181.5) 973.59,2001.41 1060,1915 1060,1710 1380,1390 1515,1390 v1(1670,1235) ; v1(1830,1075) 2040,865 v1(2040,655)
pads on no net: J3.3 J7.1 J7.6 J8.1 J8.6 J11.1 J11.7 J12.2 J13.2 U1.3 U2.2 U2.3 U2.6 U2.7 U5.13 U7.4 U7.7 U7.14 U7.18 U7.21 U7.22 U7.36 U7.47 U8.6
copper on no net: | length 33445.5